# Altium PCB CW521_BallisticGel.PcbDoc (part 3 of 3)
Units mil, origin at the board's own origin, x right, y up, seen from the top; angles counter-clockwise.
Board outline 4645.67 x 3070.87 mil, 2 copper layers (Top Layer, Bottom Layer), stack 59.8 mil thick; 102 components, 83 nets, 501 pads, 442 vias.
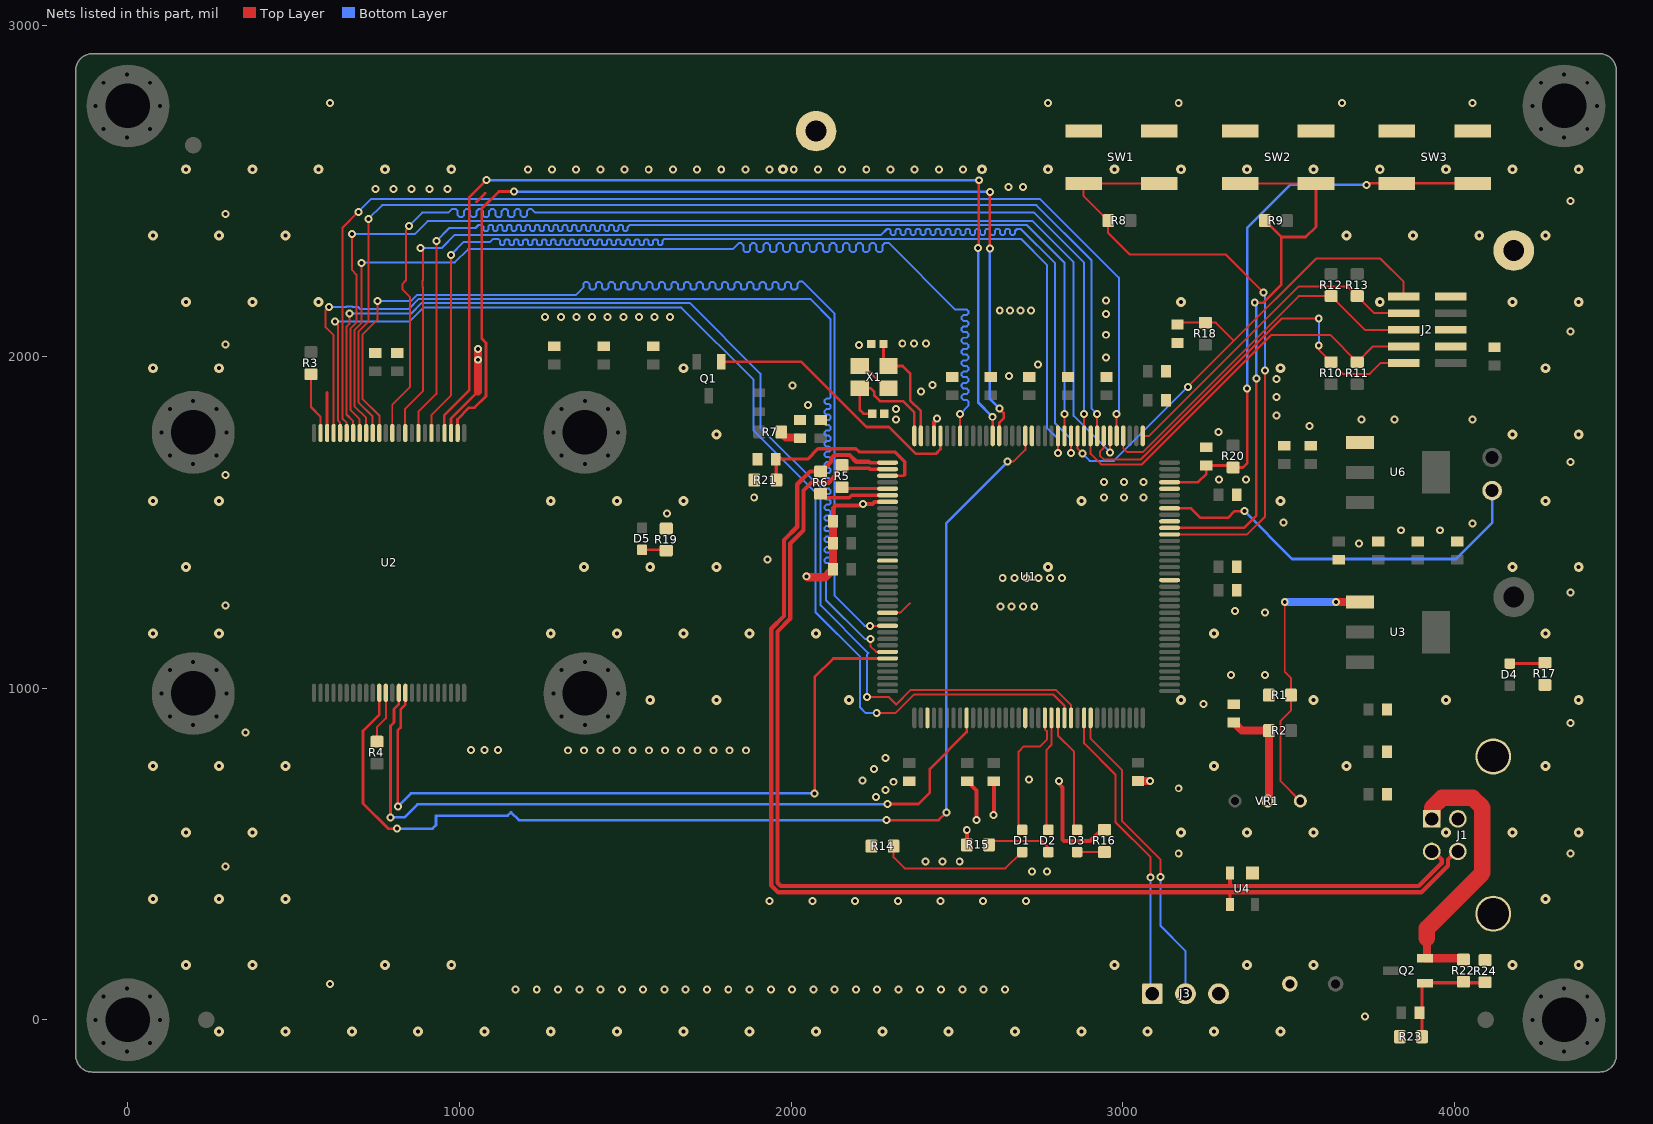
[diagram p3: the nets of this part, all layers, seen from the top]

## Via types
v1: diameter 24, hole 12, Top Layer to Bottom Layer, tented both sides, 327 vias
v2: diameter 30, hole 12, Top Layer to Bottom Layer, tented both sides, 113 vias
v3: diameter 24, hole 12, Top Layer to Bottom Layer, 2 vias

## Nets (pads, with @x,y where several pads share a name; then routed paths per layer and width w, separated by ;. In a path a pad name is that pad's centre, name@x,y a point inside that pad or via, vN(x,y) a via of type N, cw(c..) or ccw(c..) an arc to the next point about the centre after c; other vN are vias at no path point) (continued)
D4: U1.62 U2.38 | length 3495.4
  Top Layer w6: v1(752,2168) 752,2110.62 707,2065.62 707,1873.45 758,1822.45 U2.38@758,1773.27 ; v1(2238.39,1188.27) U1.62@2290.83,1188.27
  Bottom Layer w6: v1(752,2168) 854,2168 872.54,2186.54 1351.65,2186.54 1373.02,2207.91 1373.02,2219.91 1378.02,2224.91 1386.02,2224.91 1392.02,2218.91 1392.02,2206.91 1397.02,2201.91 1405.02,2201.91 1411.02,2207.91 1411.02,2219.91 1416.02,2224.91 1424.02,2224.91 1430.02,2218.91 1430.02,2206.91 1435.02,2201.91 1443.02,2201.91 1449.02,2207.91 1449.02,2219.91 1454.02,2224.91 1462.02,2224.91 1468.02,2218.91 1468.02,2206.91 1473.02,2201.91 1481.02,2201.91 1487.02,2207.91 1487.02,2219.91 1492.02,2224.91 1500.02,2224.91 1506.02,2218.91 1506.02,2206.91 1511.02,2201.91 1519.02,2201.91 1525.02,2207.91 1525.02,2219.91 1530.02,2224.91 1538.02,2224.91 1544.02,2218.91 1544.02,2206.91 1549.02,2201.91 1557.02,2201.91 1563.02,2207.91 1563.02,2219.91 1568.02,2224.91 1576.02,2224.91 1582.02,2218.91 1582.02,2206.91 1587.02,2201.91 1595.02,2201.91 1601.02,2207.91 1601.02,2219.91 1606.02,2224.91 1614.02,2224.91 1620.02,2218.91 1620.02,2206.91 1625.02,2201.91 1633.02,2201.91 1639.02,2207.91 1639.02,2219.91 1644.02,2224.91 1652.02,2224.91 1658.02,2218.91 1658.02,2206.91 1663.02,2201.91 1671.02,2201.91 1677.02,2207.91 1677.02,2219.91 1682.02,2224.91 1690.02,2224.91 1696.02,2218.91 1696.02,2206.91 1701.02,2201.91 1709.02,2201.91 1715.02,2207.91 1715.02,2219.91 1720.02,2224.91 1728.02,2224.91 1734.02,2218.91 1734.02,2206.91 1739.02,2201.91 1747.02,2201.91 1753.02,2207.91 1753.02,2219.91 1758.02,2224.91 1766.02,2224.91 1772.02,2218.91 1772.02,2206.91 1777.02,2201.91 1785.02,2201.91 1791.02,2207.91 1791.02,2219.91 1796.02,2224.91 1804.02,2224.91 1810.02,2218.91 1810.02,2206.91 1815.02,2201.91 1823.02,2201.91 1829.02,2207.91 1829.02,2219.91 1834.02,2224.91 1842.02,2224.91 1848.02,2218.91 1848.02,2206.91 1853.02,2201.91 1861.02,2201.91 1867.02,2207.91 1867.02,2219.91 1872.02,2224.91 1880.02,2224.91 1886.02,2218.91 1886.02,2206.91 1891.02,2201.91 1899.02,2201.91 1905.02,2207.91 1905.02,2219.91 1910.02,2224.91 1918.02,2224.91 1924.02,2218.91 1924.02,2206.91 1929.02,2201.91 1937.02,2201.91 1943.02,2207.91 1943.02,2219.91 1948.02,2224.91 1956.02,2224.91 1962.02,2218.91 1962.02,2206.91 1967.02,2201.91 1975.02,2201.91 1981.02,2207.91 1981.02,2219.91 1986.02,2224.91 1994.02,2224.91 2000.02,2218.91 2000.02,2206.91 2005.02,2201.91 2013.02,2201.91 2019.02,2207.91 2019.02,2219.91 2025.02,2225.91 2034.72,2225.91 2131.02,2129.6 2131.02,1278.91 2221.66,1188.27 v1(2238.39,1188.27)
D5: U1.29 U2.40 | length 3538.7
  Top Layer w6: v1(704.02,2282.43) 704.02,2100.73 683,2079.71 683,1850.45 718,1815.45 U2.40@718,1773.27 ; U1.29@2509.33,1761.1 v1(2509.33,1826.58) v1@2509.33,1830.21
  Bottom Layer w6: v1(704.02,2282.43) 705.74,2284.16 985.84,2284.16 1025.59,2323.91 1824.02,2323.91 1842.02,2341.91 1850.02,2341.91 1856.02,2335.91 1856.02,2320.91 1862.02,2314.91 1870.02,2314.91 1876.02,2320.91 1876.02,2335.91 1882.02,2341.91 1890.02,2341.91 1896.02,2335.91 1896.02,2320.91 1902.02,2314.91 1910.02,2314.91 1916.02,2320.91 1916.02,2335.91 1922.02,2341.91 1930.02,2341.91 1936.02,2335.91 1936.02,2320.91 1942.02,2314.91 1950.02,2314.91 1956.02,2320.91 1956.02,2335.91 1962.02,2341.91 1970.02,2341.91 1976.02,2335.91 1976.02,2320.91 1982.02,2314.91 1990.02,2314.91 1996.02,2320.91 1996.02,2335.91 2002.02,2341.91 2010.02,2341.91 2016.02,2335.91 2016.02,2320.91 2022.02,2314.91 2030.02,2314.91 2036.02,2320.91 2036.02,2335.91 2042.02,2341.91 2050.02,2341.91 2056.02,2335.91 2056.02,2320.91 2062.02,2314.91 2070.02,2314.91 2076.02,2320.91 2076.02,2335.91 2082.02,2341.91 2090.02,2341.91 2096.02,2335.91 2096.02,2320.91 2102.02,2314.91 2110.02,2314.91 2116.02,2320.91 2116.02,2335.91 2122.02,2341.91 2130.02,2341.91 2136.02,2335.91 2136.02,2320.91 2142.02,2314.91 2150.02,2314.91 2156.02,2320.91 2156.02,2335.91 2162.02,2341.91 2170.02,2341.91 2176.02,2335.91 2176.02,2320.91 2182.02,2314.91 2190.02,2314.91 2196.02,2320.91 2196.02,2335.91 2202.02,2341.91 2210.02,2341.91 2216.02,2335.91 2216.02,2320.91 2222.02,2314.91 2230.02,2314.91 2236.02,2320.91 2236.02,2335.91 2242.02,2341.91 2250.02,2341.91 2256.02,2335.91 2256.02,2320.91 2262.02,2314.91 2270.02,2314.91 2276.02,2320.91 2276.02,2335.91 2283.02,2342.91 2294.02,2342.91 2495.02,2141.91 2529.64,2141.91 2534.64,2136.91 2534.64,2130.21 2529.33,2124.91 2519.02,2124.91 2514.02,2119.91 2514.02,2113.21 2519.33,2107.91 2529.64,2107.91 2534.64,2102.91 2534.64,2096.21 2529.33,2090.91 2519.02,2090.91 2514.02,2085.91 2514.02,2079.21 2519.33,2073.91 2529.64,2073.91 2534.64,2068.91 2534.64,2062.21 2529.33,2056.91 2519.02,2056.91 2514.02,2051.91 2514.02,2045.21 2519.33,2039.91 2529.64,2039.91 2534.64,2034.91 2534.64,2028.21 2529.33,2022.91 2519.02,2022.91 2514.02,2017.91 2514.02,2011.21 2519.33,2005.91 2529.64,2005.91 2534.64,2000.91 2534.64,1994.21 2529.33,1988.91 2519.02,1988.91 2514.02,1983.91 2514.02,1977.21 2519.33,1971.91 2529.64,1971.91 2534.64,1966.91 2534.64,1960.21 2529.33,1954.91 2519.02,1954.91 2514.02,1949.91 2514.02,1943.21 2519.33,1937.91 2529.64,1937.91 2534.64,1932.91 2534.64,1926.21 2529.33,1920.91 2519.02,1920.91 2514.02,1915.91 2514.02,1909.21 2519.33,1903.91 2529.64,1903.91 2534.64,1898.91 2534.64,1892.21 2529.33,1886.91 2519.02,1886.91 2514.02,1881.91 2514.02,1875.21 2519.33,1869.91 2529.64,1869.91 2534.64,1864.91 2534.64,1851.89 v1(2509.33,1826.58) v1@2507.33,1824.58
D6: U1.97 U2.42 | length 3521.3
  Top Layer w6: v1(667.91,2129.54) 667.91,2098.56 659,2089.65 659,1825.45 679,1805.45 U2.42@679,1773.27 ; v1(2229.02,972.91) 2295.02,972.91 2317.02,950.91 2361.02,994.91 2798.02,994.91 2843.98,948.95 U1.97@2843.98,910.71
  Bottom Layer w6: v1(667.91,2129.54) 853.54,2129.54 886,2162 1693.93,2162 1907.02,1948.91 1907.02,1785.91 2088.93,1604 2088.93,1250 2233.02,1105.91 2229.02,1101.91 v1(2229.02,972.91)
D7: U1.96 U2.44 | length 3531.3
  Top Layer w6: v1(623.91,2106.54) 633,2097.45 633,1808 639,1802 639,1770.45 U2.44@639.76,1769.69 ; v1(2258.02,925.91) 2315.02,925.91 2370.02,980.91 2791.02,980.91 2824.29,947.64 U1.96@2824.29,910.71
  Bottom Layer w6: v1(623.91,2106.54) 849.54,2106.54 890.91,2147.91 1669.02,2147.91 1887.02,1929.91 1887.02,1776.91 2073.02,1590.91 2073.02,1229.91 2208.02,1094.91 2208.02,941.91 2224.02,925.91 v1(2258.02,925.91)
D8: U1.14 U2.30 | length 3519.4
  Top Layer w6: U2.30@915,1773.27 915,1823.62 973.91,1882.54 v1(973.91,2306.54) ; v1@2804.61,1708.49 v1(2804.61,1709.91) U1.14@2804.61,1761.1
  Bottom Layer w6: v1(973.91,2306.54) 1013.28,2345.91 1092.02,2345.91 1101.02,2354.91 1117.02,2354.91 1122.02,2349.91 1122.02,2339.91 1126.02,2335.91 1132.02,2335.91 1136.02,2339.91 1136.02,2349.91 1140.02,2353.91 1146.02,2353.91 1150.02,2349.91 1150.02,2339.91 1154.02,2335.91 1160.02,2335.91 1164.02,2339.91 1164.02,2349.91 1168.02,2353.91 1174.02,2353.91 1178.02,2349.91 1178.02,2339.91 1182.02,2335.91 1188.02,2335.91 1192.02,2339.91 1192.02,2349.91 1196.02,2353.91 1202.02,2353.91 1206.02,2349.91 1206.02,2339.91 1210.02,2335.91 1216.02,2335.91 1220.02,2339.91 1220.02,2349.91 1224.02,2353.91 1230.02,2353.91 1234.02,2349.91 1234.02,2339.91 1238.02,2335.91 1244.02,2335.91 1248.02,2339.91 1248.02,2349.91 1252.02,2353.91 1258.02,2353.91 1262.02,2349.91 1262.02,2339.91 1266.02,2335.91 1272.02,2335.91 1276.02,2339.91 1276.02,2349.91 1280.02,2353.91 1286.02,2353.91 1290.02,2349.91 1290.02,2339.91 1294.02,2335.91 1300.02,2335.91 1304.02,2339.91 1304.02,2349.91 1308.02,2353.91 1314.02,2353.91 1318.02,2349.91 1318.02,2339.91 1322.02,2335.91 1328.02,2335.91 1332.02,2339.91 1332.02,2349.91 1336.02,2353.91 1342.02,2353.91 1346.02,2349.91 1346.02,2339.91 1350.02,2335.91 1356.02,2335.91 1360.02,2339.91 1360.02,2349.91 1364.02,2353.91 1370.02,2353.91 1374.02,2349.91 1374.02,2339.91 1378.02,2335.91 1384.02,2335.91 1388.02,2339.91 1388.02,2349.91 1392.02,2353.91 1398.02,2353.91 1402.02,2349.91 1402.02,2339.91 1406.02,2335.91 1412.02,2335.91 1416.02,2339.91 1416.02,2349.91 1420.02,2353.91 1426.02,2353.91 1430.02,2349.91 1430.02,2339.91 1434.02,2335.91 1440.02,2335.91 1444.02,2339.91 1444.02,2349.91 1448.02,2353.91 1454.02,2353.91 1458.02,2349.91 1458.02,2339.91 1462.02,2335.91 1468.02,2335.91 1472.02,2339.91 1472.02,2349.91 1476.02,2353.91 1482.02,2353.91 1486.02,2349.91 1486.02,2339.91 1490.02,2335.91 1496.02,2335.91 1500.02,2339.91 1500.02,2349.91 1504.02,2353.91 1510.02,2353.91 1514.02,2349.91 1514.02,2339.91 1518.02,2335.91 1524.02,2335.91 1528.02,2339.91 1528.02,2349.91 1532.02,2353.91 1538.02,2353.91 1542.02,2349.91 1542.02,2339.91 1546.02,2335.91 1552.02,2335.91 1556.02,2339.91 1556.02,2349.91 1560.02,2353.91 1566.02,2353.91 1570.02,2349.91 1570.02,2339.91 1574.02,2335.91 1580.02,2335.91 1584.02,2339.91 1584.02,2349.91 1588.02,2353.91 1594.02,2353.91 1598.02,2349.91 1598.02,2339.91 1602.02,2335.91 1608.02,2335.91 1612.02,2339.91 1612.02,2349.91 1617.02,2354.91 2693.02,2354.91 2771.02,2276.91 2771.02,1785.91 2804.61,1752.32 v1@2804.61,1711.28
D9: U1.13 U2.32 | length 3507.4
  Top Layer w6: U2.32@876,1773.27 876,1833.62 929.91,1887.54 v1(929.91,2348.54) ; U1.13@2824.29,1761.1 v1(2824.29,1826.58) v1@2824.29,1828.64
  Bottom Layer w6: v1(929.91,2348.54) 969.28,2387.91 1048.02,2387.91 1057.02,2396.91 1067.02,2396.91 1072.02,2391.91 1072.02,2382.91 1076.02,2378.91 1083.02,2378.91 1087.02,2382.91 1087.02,2392.91 1091.02,2396.91 1097.02,2396.91 1101.02,2392.91 1101.02,2382.91 1105.02,2378.91 1111.02,2378.91 1115.02,2382.91 1115.02,2392.91 1119.02,2396.91 1125.02,2396.91 1129.02,2392.91 1129.02,2382.91 1133.02,2378.91 1139.02,2378.91 1143.02,2382.91 1143.02,2392.91 1147.02,2396.91 1153.02,2396.91 1157.02,2392.91 1157.02,2382.91 1161.02,2378.91 1167.02,2378.91 1171.02,2382.91 1171.02,2392.91 1175.02,2396.91 1181.02,2396.91 1185.02,2392.91 1185.02,2382.91 1189.02,2378.91 1195.02,2378.91 1199.02,2382.91 1199.02,2392.91 1203.02,2396.91 1209.02,2396.91 1213.02,2392.91 1213.02,2382.91 1217.02,2378.91 1223.02,2378.91 1227.02,2382.91 1227.02,2392.91 1231.02,2396.91 1237.02,2396.91 1241.02,2392.91 1241.02,2382.91 1245.02,2378.91 1251.02,2378.91 1255.02,2382.91 1255.02,2392.91 1259.02,2396.91 1265.02,2396.91 1269.02,2392.91 1269.02,2382.91 1273.02,2378.91 1279.02,2378.91 1283.02,2382.91 1283.02,2392.91 1287.02,2396.91 1293.02,2396.91 1297.02,2392.91 1297.02,2382.91 1301.02,2378.91 1307.02,2378.91 1311.02,2382.91 1311.02,2392.91 1315.02,2396.91 1321.02,2396.91 1325.02,2392.91 1325.02,2382.91 1329.02,2378.91 1335.02,2378.91 1339.02,2382.91 1339.02,2392.91 1343.02,2396.91 1349.02,2396.91 1353.02,2392.91 1353.02,2382.91 1357.02,2378.91 1363.02,2378.91 1367.02,2382.91 1367.02,2392.91 1371.02,2396.91 1377.02,2396.91 1381.02,2392.91 1381.02,2382.91 1385.02,2378.91 1391.02,2378.91 1395.02,2382.91 1395.02,2392.91 1399.02,2396.91 1405.02,2396.91 1409.02,2392.91 1409.02,2382.91 1413.02,2378.91 1419.02,2378.91 1423.02,2382.91 1423.02,2392.91 1427.02,2396.91 1433.02,2396.91 1437.02,2392.91 1437.02,2382.91 1441.02,2378.91 1447.02,2378.91 1451.02,2382.91 1451.02,2392.91 1455.02,2396.91 1461.02,2396.91 1465.02,2392.91 1465.02,2382.91 1469.02,2378.91 1475.02,2378.91 1479.02,2382.91 1479.02,2392.91 1483.02,2396.91 1489.02,2396.91 1493.02,2392.91 1493.02,2382.91 1497.02,2378.91 1503.02,2378.91 1507.02,2382.91 1507.02,2390.91 1513.02,2396.91 2710.42,2396.91 2824.29,2283.03 v1(2824.29,1826.58)
D10: U1.12 U2.34 | length 3549
  Top Layer w6: U2.34@836,1773.27 836,1842.62 889,1895.62 889,2209.75 887.91,2210.84 887.91,2228.23 889,2229.32 889,2320.45 v1(881.91,2327.54) ; v1@2843.98,1707.95 v1(2843.98,1709.91) U1.12@2843.98,1761.1
  Bottom Layer w6: v1(881.91,2327.54) 946.54,2327.54 985.91,2366.91 2271.02,2366.91 2289.02,2384.91 2296.02,2384.91 2300.02,2380.91 2300.02,2370.91 2304.02,2366.91 2311.02,2366.91 2315.02,2370.91 2315.02,2380.91 2319.02,2384.91 2326.02,2384.91 2330.02,2380.91 2330.02,2370.91 2334.02,2366.91 2341.02,2366.91 2345.02,2370.91 2345.02,2380.91 2349.02,2384.91 2356.02,2384.91 2360.02,2380.91 2360.02,2370.91 2364.02,2366.91 2371.02,2366.91 2375.02,2370.91 2375.02,2380.91 2379.02,2384.91 2386.02,2384.91 2390.02,2380.91 2390.02,2370.91 2394.02,2366.91 2401.02,2366.91 2405.02,2370.91 2405.02,2380.91 2409.02,2384.91 2416.02,2384.91 2420.02,2380.91 2420.02,2370.91 2424.02,2366.91 2431.02,2366.91 2435.02,2370.91 2435.02,2380.91 2439.02,2384.91 2446.02,2384.91 2450.02,2380.91 2450.02,2370.91 2454.02,2366.91 2461.02,2366.91 2465.02,2370.91 2465.02,2380.91 2469.02,2384.91 2476.02,2384.91 2480.02,2380.91 2480.02,2370.91 2484.02,2366.91 2491.02,2366.91 2495.02,2370.91 2495.02,2380.91 2499.02,2384.91 2506.02,2384.91 2510.02,2380.91 2510.02,2370.91 2514.02,2366.91 2521.02,2366.91 2525.02,2370.91 2525.02,2380.91 2529.02,2384.91 2536.02,2384.91 2540.02,2380.91 2540.02,2370.91 2544.02,2366.91 2551.02,2366.91 2555.02,2370.91 2555.02,2380.91 2559.02,2384.91 2566.02,2384.91 2570.02,2380.91 2570.02,2370.91 2574.02,2366.91 2581.02,2366.91 2585.02,2370.91 2585.02,2380.91 2589.02,2384.91 2596.02,2384.91 2600.02,2380.91 2600.02,2370.91 2604.02,2366.91 2611.02,2366.91 2615.02,2370.91 2615.02,2380.91 2619.02,2384.91 2626.02,2384.91 2630.02,2380.91 2630.02,2370.91 2634.02,2366.91 2641.02,2366.91 2645.02,2370.91 2645.02,2380.91 2649.02,2384.91 2656.02,2384.91 2660.02,2380.91 2660.02,2370.91 2664.02,2366.91 2671.02,2366.91 2675.02,2370.91 2675.02,2378.91 2681.02,2384.91 2692.72,2384.91 2795.02,2282.6 2795.02,1799.91 2843.98,1750.95 v1@2843.98,1711.28
D11: U1.10 U2.36 | length 3517.6
  Top Layer w6: U2.36@797,1773.27 797,1854.62 851,1908.62 851,2179.3 828,2202.3 828,2219.7 837.91,2229.61 837.91,2381.54 847.91,2391.54 v1(847.91,2394.54) ; U1.10@2883.35,1761.1 v1(2883.35,1826.58)
  Bottom Layer w6: v1(847.91,2394.54) 887.28,2433.91 966.02,2433.91 977.02,2444.91 989.02,2444.91 994.02,2439.91 994.02,2426.91 1000.02,2420.91 1008.02,2420.91 1013.02,2425.91 1013.02,2438.91 1019.02,2444.91 1027.02,2444.91 1032.02,2439.91 1032.02,2426.91 1038.02,2420.91 1046.02,2420.91 1051.02,2425.91 1051.02,2438.91 1057.02,2444.91 1065.02,2444.91 1070.02,2439.91 1070.02,2426.91 1076.02,2420.91 1084.02,2420.91 1089.02,2425.91 1089.02,2438.91 1095.02,2444.91 1103.02,2444.91 1108.02,2439.91 1108.02,2426.91 1114.02,2420.91 1122.02,2420.91 1127.02,2425.91 1127.02,2438.91 1133.02,2444.91 1141.02,2444.91 1146.02,2439.91 1146.02,2426.91 1152.02,2420.91 1160.02,2420.91 1165.02,2425.91 1165.02,2438.91 1171.02,2444.91 1179.02,2444.91 1184.02,2439.91 1184.02,2426.91 1190.02,2420.91 1198.02,2420.91 1203.02,2425.91 1203.02,2438.91 1209.02,2444.91 1217.02,2444.91 1228.02,2433.91 2732.82,2433.91 2883.35,2283.38 v1(2883.35,1826.58)
D12: U1.8 U2.39 | length 3477.6
  Top Layer w6: v1(724.91,2415.54) 724.91,2331.54 725.02,2331.43 725.02,2104.64 695,2074.62 695,1862.45 738,1819.45 U2.39@738,1773.27 ; U1.8@2922.72,1761.1 v1(2922.72,1826.58) v1@2922.72,1828.21
  Bottom Layer w6: v1(724.91,2415.54) 766.28,2456.91 2739.52,2456.91 2905.02,2291.4 2905.02,1844.28 v1(2922.72,1826.58)
D13: U1.6 U2.41 | length 3535.6
  Top Layer w6: v1(675.91,2369.54) 675.91,2260.54 688.91,2247.54 688.91,2102.59 671,2084.68 671,1839.45 698,1812.45 U2.41@698,1773.27 ; v1@2962.09,1708.84 v1(2962.09,1711.28) U1.6@2962.09,1761.1
  Bottom Layer w6: v1(675.91,2369.54) 864.54,2369.54 903.91,2408.91 2728.12,2408.91 2852.02,2285 2852.02,1821.35 v1(2962.09,1711.28)
D14: U1.5 U2.43 | length 3580
  Top Layer w6: U2.43@659.45,1769.69 659.45,1800 646.91,1812.54 646.91,2388.54 v1(694.91,2436.54) ; U1.5@2981.77,1761.1 v1(2981.77,1826.58) v1@2981.77,1827.16
  Bottom Layer w6: v1(694.91,2436.54) 734.28,2475.91 2750.21,2475.91 2988.02,2238.1 2988.02,1832.83 v1(2981.77,1826.58)
D15: U1.66 U2.45 | length 3472.4
  Top Layer w6: v1(605.59,2150.21) 596,2140.62 596,2088 620,2064 620,1769.76 U2.45@620.08,1769.69 ; v1(2239.02,1148.91) 2239.02,1126.68 2256.18,1109.53 U1.66@2290.83,1109.53
  Bottom Layer w6: v1(605.59,2150.21) 658.89,2150.21 659.22,2150.54 676.61,2150.54 676.93,2150.21 693.79,2150.21 701,2143 846,2143 877,2174 2056.93,2174 2118.93,2112 2118.93,1877.6 2114.93,1873.6 2105.93,1873.6 2100.93,1868.6 2100.93,1861.6 2104.93,1857.6 2113.93,1857.6 2118.93,1852.6 2118.93,1845.6 2114.93,1841.6 2105.93,1841.6 2100.93,1836.6 2100.93,1829.6 2104.93,1825.6 2113.93,1825.6 2118.93,1820.6 2118.93,1813.6 2114.93,1809.6 2105.93,1809.6 2100.93,1804.6 2100.93,1797.6 2104.93,1793.6 2113.93,1793.6 2118.93,1788.6 2118.93,1781.6 2114.93,1777.6 2105.93,1777.6 2100.93,1772.6 2100.93,1765.6 2104.93,1761.6 2113.93,1761.6 2118.93,1756.6 2118.93,1749.6 2114.93,1745.6 2105.93,1745.6 2100.93,1740.6 2100.93,1733.6 2104.93,1729.6 2113.93,1729.6 2118.93,1724.6 2118.93,1717.6 2114.93,1713.6 2105.93,1713.6 2100.93,1708.6 2100.93,1701.6 2104.93,1697.6 2113.93,1697.6 2118.93,1692.6 2118.93,1685.6 2114.93,1681.6 2105.93,1681.6 2100.93,1676.6 2100.93,1669.6 2104.93,1665.6 2113.93,1665.6 2118.93,1660.6 2118.93,1653.6 2114.93,1649.6 2105.93,1649.6 2100.93,1644.6 2100.93,1637.6 2104.93,1633.6 2113.93,1633.6 2118.93,1628.6 2118.93,1621.6 2114.93,1617.6 2105.93,1617.6 2100.93,1612.6 2100.93,1605.6 2104.93,1601.6 2113.93,1601.6 2118.93,1596.6 2118.93,1589.6 2114.93,1585.6 2105.93,1585.6 2100.93,1580.6 2100.93,1573.6 2104.93,1569.6 2113.93,1569.6 2118.93,1564.6 2118.93,1557.6 2114.93,1553.6 2105.93,1553.6 2100.93,1548.6 2100.93,1541.6 2104.93,1537.6 2113.93,1537.6 2118.93,1532.6 2118.93,1525.6 2114.93,1521.6 2105.93,1521.6 2100.93,1516.6 2100.93,1509.6 2104.93,1505.6 2113.93,1505.6 2118.93,1500.6 2118.93,1493.6 2114.93,1489.6 2105.93,1489.6 2100.93,1484.6 2100.93,1477.6 2104.93,1473.6 2113.93,1473.6 2118.93,1468.6 2118.93,1461.6 2114.93,1457.6 2105.93,1457.6 2100.93,1452.6 2100.93,1445.6 2104.93,1441.6 2113.93,1441.6 2118.93,1436.6 2118.93,1429.6 2114.93,1425.6 2105.93,1425.6 2100.93,1420.6 2100.93,1413.6 2104.93,1409.6 2113.93,1409.6 2118.93,1404.6 2118.93,1397.6 2114.93,1393.6 2105.93,1393.6 2100.93,1388.6 2100.93,1381.6 2104.93,1377.6 2113.93,1377.6 2118.93,1372.6 2118.93,1365.6 2104.93,1351.6 2104.93,1266 2222.02,1148.91 v1(2239.02,1148.91)
ERASE: JP1.2 U1.137 | length 1194.8
  Top Layer w8: U1.137@3141.22,1542.6 3206.33,1542.6 3235.02,1513.91 3317.02,1513.91 3337.02,1533.91 v1(3367.02,1533.91)
  Bottom Layer w8: v1(3367.02,1533.91) 3511.02,1389.91 4005.02,1389.91 4114.02,1498.91 JP1.2@4114.02,1595.91
GND: C1.2 C2.2 C3.2 C4.2 C5.2 C6.2 C7.2 C8.2 C9.2 C10.2 C11.2 C12.2 C13.2 C14.2 C15.2 C16.2 C17.2 C18.2 C19.2 C20.2 C21.2 C22.2 C23.2 C24.2 C25.2 C26.2 C27.2 C28.2 C29.2 C30.2 C31.2 C32.2 C33.2 C34.2 C35.2 C36.2 C37.2 C38.2 C39.2 C40.2 C41.2 J1.4 J1.MH1 J1.MH2 J2.3 J2.5 J2.9 J3.3 R1.2 R14.2 R15.2 R16.2 R17.2 R19.2 R21.2 R23.2 R24.2 SW1.1 SW1.4 SW2.1 SW2.4 SW3.1 SW3.4 TP2.1 TP3.1 U1.18 U1.33 U1.43 U1.52 U1.60 U1.75 U1.90 U1.126 U1.135 U1.140 U2.27 U2.46 U4.1 U6.1 X1.2 X1.4 | length 1774.2
  Top Layer w6: X1.4@2207.02,1971.91 2218.11,1971.91 2285.04,1904.98 X1.2@2293.64,1904.98 ; U1.60@2290.83,1227.64 2292.09,1228.91 2331.02,1228.91 2358.02,1255.91
  Top Layer w8: U2.27@974,1773.27 974,1813 1055.91,1894.91 ; 1050.91,2466.54 1076.91,2492.54
  Top Layer w10: U2.46@600.39,1769.69 600.39,1891.61
  Top Layer w12: C28.2@2125.98,1503.94 2125.98,1544.15 2133.01,1551.18 2209.35,1551.18 2213.29,1555.12 2244.78,1555.12 2251.95,1562.28 U1.43@2290.83,1562.28 ; U1.33@2430.59,1761.1 2430.59,1803.47 v1(2440.02,1812.91) ; R15.2@2529.53,527.56 v1(2529.53,572.83) ; C19.2@2531.02,719.35 2559.06,691.32 v1(2559.06,602.36) ; v1(2610.24,618.11) 2611.02,618.9 C29.2@2611.02,719.35 ; v1(2807.09,720.47) 2807.09,712.6 2818.9,700.79 2818.9,543.31 2822.83,539.37 2901.57,539.37 2935.04,572.83 R16.2@2944.88,572.83
  Top Layer w24: 1055.91,1894.91 v1(1055.91,1990.54) v1(1055.91,2022.54) ; C35.2@3046.02,720.35 v1(3081.58,720.35)
  Top Layer w25: v1(2046.44,1337.65) 2049.44,1334.65 2102.36,1334.65 C20.2@2125.98,1358.27 C30.2@2125.98,1437.01 C28.2@2125.98,1503.94
  other v1: 3730.92,10.51 1168.57,91.26 1232.74,91.26 1296.91,91.26 1361.09,91.26 1425.26,91.26 1489.43,91.26 1553.61,91.26 1617.78,91.26 1681.96,91.26 1746.13,91.26 1810.3,91.26 1874.48,91.26 1938.65,91.26 2002.83,91.26 2067,91.26 2131.17,91.26 2195.35,91.26 2259.52,91.26 2323.7,91.26 2387.87,91.26 2452.04,91.26 2516.22,91.26 2580.39,91.26 2644.57,91.26 609.72,107.76 1935,358 2063.83,358 2192.67,358 2321.5,358 2450.33,358 2579.17,358 2708,358 2726.02,446.91 2772.02,446.91 294.76,462.09 2405,478 2456.67,478 2508.33,478 3168.78,501.46 4349.88,501.46 2256.02,671.91 2285.02,692.91 3168.78,698.31 2309.02,717.91 2215.02,721.91 2716.54,724.41 2250.02,755.91 2284.02,788.91 1327.02,812.91 1375.77,812.91 1424.52,812.91 1473.27,812.91 1522.02,812.91 1570.77,812.91 1619.52,812.91 1668.27,812.91 1717.02,812.91 1765.77,812.91 1814.52,812.91 1863.27,812.91 1034,814 1075,814 1116,814 354.33,866.14 4349.88,895.16 3244.09,952.76 3326.77,1039.37 3429.13,1039.37 3429.13,1228.35 3338.58,1232.28 2631.02,1246.91 2665.02,1246.91 2699.02,1246.91 2733.02,1246.91 294.76,1249.49 4349.88,1288.86 2638.02,1332.91 2673.82,1332.91 2709.62,1332.91 2745.42,1332.91 2781.22,1332.91 2817.02,1332.91 1928,1388.35 3712.6,1437.01 3838.58,1476.38 3956.69,1476.38 4055.12,1496.06 3484.25,1500 1625.98,1527.56 2216.54,1555.12 1888.63,1575.36 2943.02,1574.91 3003.02,1574.91 3063.02,1574.91 2943.02,1621.91 3003.02,1621.91 3063.02,1621.91 3290,1629 3371,1630 294.76,1643.19 4349.88,1682.56 3289,1773 3562.99,1791.34 2316.02,1809.91 3720.47,1811.02 3818.9,1811.02 4055.12,1811.02 3463,1823 2316.02,1841.91 2051.18,1854.33 3463,1878 2392.02,1894.91 2003.94,1913.39 2426.02,1913.91 3463,1933 2657.48,1940.94 2745.02,1976.91 2950.02,1996.91 2204.72,2035.43 294.76,2036.89 2335.02,2038.91 2370.02,2038.91 2407.02,2038.91 2950.02,2065.91 4349.88,2076.26 1258.13,2118.91 1305.25,2118.91 1352.36,2118.91 1399.47,2118.91 1446.58,2118.91 1493.69,2118.91 1540.8,2118.91 1587.91,2118.91 1635.02,2118.91 2950.02,2128.91 2629.02,2138.91 2660.02,2138.91 2691.02,2138.91 2723.02,2138.91 2950.02,2168.91 294.76,2430.59 4349.88,2469.96 746.25,2505 800.5,2505 854.75,2505 909,2505 963.25,2505 2656.02,2511.91 2699.02,2511.91 1206.02,2564.91 1278.91,2564.91 1351.8,2564.91 1424.69,2564.91 1497.58,2564.91 1570.47,2564.91 1643.36,2564.91 1716.25,2564.91 1789.13,2564.91 1862.02,2564.91 1934.91,2564.91 2007.8,2564.91 2080.69,2564.91 2153.58,2564.91 2226.47,2564.91 2299.36,2564.91 2372.24,2564.91 2445.13,2564.91 2518.02,2564.91 609.72,2765.24 2775.08,2765.24 3168.78,2765.24 3660.91,2765.24 4054.61,2765.24
  other v2: 275,-35 475,-35 675,-35 875,-35 1075,-35 1275,-35 1475,-35 1675,-35 1875,-35 2075,-35 2275,-35 2475,-35 2675,-35 2875,-35 3075,-35 3275,-35 3475,-35 175,165 375,165 775,165 975,165 2975,165 3375,165 3575,165 4175,165 4375,165 75,365 275,365 475,365 4275,365 175,565 375,565 3175,565 3375,565 3575,565 3975,565 4175,565 4375,565 75,765 275,765 475,765 3275,765 3675,765 4275,765 1575,965 1775,965 2175,965 3175,965 3575,965 3975,965 4375,965 75,1165 275,1165 1275,1165 1475,1165 1675,1165 1875,1165 2075,1165 3275,1165 4275,1165 175,1365 1375,1365 1575,1365 1775,1365 2775,1365 4175,1365 4375,1365 75,1565 275,1565 1275,1565 1475,1565 1675,1565 2875,1565 3475,1565 4275,1565 1775,1765 4175,1765 4375,1765 75,1965 275,1965 1675,1965 3475,1965 4275,1965 175,2165 375,2165 575,2165 3175,2165 3775,2165 4175,2165 4375,2165 75,2365 275,2365 475,2365 3675,2365 3875,2365 4075,2365 4275,2365 175,2565 375,2565 575,2565 775,2565 975,2565 1975,2565 2575,2565 2775,2565 2975,2565 3175,2565 3375,2565 3575,2565 3775,2565 3975,2565 4175,2565 4375,2565
LED_1: D1.A U1.93 | length 408.7
  Top Layer w6: D1.A@2696.85,572.83 2686.02,583.66 2686.02,808.91 2702.02,824.91 2751.02,824.91 2771.02,844.91 2771.02,870.91 2765.24,876.69 U1.93@2765.24,910.71
LED_2: D2.A U1.94 | length 346.8
  Top Layer w6: D2.A@2775.59,572.83 2769.52,578.9 2769.52,813.41 2785.02,828.91 2785.02,910.61 U1.94@2784.92,910.71
LED_3: D3.A U1.95 | length 361.7
  Top Layer w6: U1.95@2804.61,910.71 2804.61,857.32 2853.02,808.91 2853.02,582.02 D3.A@2862.2,572.83
NetC7_1: C7.1 R2.2 VR1.2 | length 329.1
  Top Layer w24: C7.1@3335.02,896.35 3359.46,871.91 R2.2@3440.56,871.91 3440.56,663.44 VR1.2@3437.02,659.91
NetC17_1: C17.1 R7.2 | length 65.4
  Top Layer w24: R7.2@1970.28,1772.5 1970.28,1770.54 1984.39,1756.43 2023.94,1756.43 C17.1@2026.71,1753.66
NetC41_1: C41.1 R21.1 U1.39 | length 574.8
  Top Layer w8: U1.39@2290.83,1641.02 2339.84,1641.02 2342.52,1643.7
  Top Layer w10: R21.1@1955.89,1627.85 1954.67,1629.06 1954.67,1689.85 C41.1@1953.45,1691.06 2049.39,1691.06 2080.76,1722.44 2194.88,1722.44 2204.72,1712.6 2312.99,1712.6 2342.52,1683.07 2342.52,1643.7
NetC42_2: C42.2 Q2.1 R22.2 R23.1 R24.1 | length 348.8
  Top Layer w10: R23.1@3902.33,-51 3902.33,103.19 3910.12,110.99 Q2.1@3911.24,110.99 3912.45,112.2 4091.49,112.2 R24.1@4092.7,113.42
NetD1_K: D1.K R14.1 | length 455.3
  Top Layer w6: R14.1@2309.06,523.62 2309.06,490.16 2342.21,457 2645.98,457 2694.88,505.91 D1.K@2696.85,505.91
NetD2_K: D2.K R15.1 | length 206
  Top Layer w6: R15.1@2596.46,527.56 2608.27,539.37 2755.91,539.37 2775.59,519.69 D2.K@2775.59,505.91
NetD3_K: D3.K R16.1 | length 82.7
  Top Layer w6: D3.K@2862.2,505.91 R16.1@2944.88,505.91
NetD4_K: D4.K R17.1 | length 107
  Top Layer w8: D4.K@4167,1074.46 4270.54,1074.46 R17.1@4273,1076.93
NetD5_K: D5.K R19.1 | length 74
  Top Layer w8: D5.K@1550.24,1417.27 1620.78,1417.27 R19.1@1623.24,1414.81
NetJ1_1: J1.1 Q2.2 R22.1 | length 869.9
  Top Layer w20: Q2.2@3911.24,185.79 3914.53,185.79 Q2.2@3917.32,188.59
  Top Layer w25: Q2.2@3911.24,185.79 3911.53,185.5 4023.74,185.5 R22.1@4027.38,181.85 ; Q2.2@3914.53,185.79 3917.03,185.79 3917.32,186.09 3917.32,188.59 3917.32,246.06
  Top Layer w28: J1.1@3925.55,600 J1.1@3931.83,606.28
  Top Layer w50: 3917.32,246.06 3917.32,275.59 4084.65,442.91 4084.65,640 4055.36,669.29 3962.69,669.29 3933.4,640 3933.4,607.85 J1.1@3931.83,606.28
NetR1_1: R1.1 U3.1 VR1.1 | length 872.7
  Top Layer w6: v1(3488.47,1259.46) 3488.47,1049.46 3507.49,1030.44 R1.1@3507.49,978.91 3507.49,933.37 3475.02,900.91 3475.02,720.33 VR1.1@3535.45,659.91 ; U3.1@3714.42,1259.91 U3.1@3714.87,1259.46
  Top Layer w24: v1(3643.02,1259.91) U3.1@3714.42,1259.91
  Bottom Layer w6: v1(3488.47,1259.46) v1@3488.92,1259.91
  Bottom Layer w24: v1@3488.92,1259.91 v1(3643.02,1259.91)
NetR3_2: R3.2 U2.47 | length 189.3
  Top Layer w6: R3.2@551.91,1947.07 551.91,1848.09 580.71,1819.29 U2.47@580.71,1769.69
NetR4_2: R4.2 U2.12 | length 158.3
  Top Layer w6: R4.2@750.91,839 750.91,882.54 777.56,909.18 U2.12@777.56,986.22
NetR5_1: R5.1 U1.41 | length 139.2
  Top Layer w10: R5.1@2153.54,1606.3 2157.61,1602.23 2290.25,1602.23 U1.41@2290.83,1601.65
NetR6_1: R6.1 U1.42 | length 210.1
  Top Layer w10: R6.1@2088.58,1586.61 2100.39,1574.8 2175.2,1574.8 2182.36,1581.97 U1.42@2290.83,1581.97
PA11: R8.2 SW1.2 SW1.3 U1.133 | length 1954.1
  Top Layer w6: SW1.3@3110.2,2507.73 SW1.3@3110.2,2522.62 SW1.2@2881.85,2522.62 2881.85,2484.22 R8.2@2956.16,2409.91 2956.16,2372.77 3021.02,2307.91 3310.02,2307.91 v1(3424.02,2193.91) ; U1.133@3141.22,1463.86 3374.98,1463.86 3429,1517.88 v1(3429,1958)
  Bottom Layer w6: v1(3424.02,2193.91) 3429,2188.93 v1(3429,1958)
PA12: R9.2 SW2.2 SW2.3 U1.134 | length 1714.1
  Top Layer w6: SW2.2@3354.35,2522.62 SW2.3@3582.7,2522.62
  Top Layer w8: U1.134@3141.22,1483.54 3365.66,1483.54 3403,1520.88 v1(3403,1934) ; v1(3398.02,2162.91) 3424.14,2162.91 3478.02,2216.79 3478.02,2360.54 ; R9.2@3428.66,2409.91 3478.02,2360.54 ; SW2.3@3582.7,2522.62 3582.7,2391.58 3551.66,2360.54 3478.02,2360.54
  Bottom Layer w8: v1(3398.02,2162.91) 3403,2157.93 v1(3403,1934)
PB7: U1.67 U2.15 | length 2219.5
  Top Layer w8: v1(813.91,643.54) 813.91,873.54 822.13,881.75 822.13,936.13 836.61,950.61 U2.15@836.61,986.22 ; v1(2071.02,682.91) 2071.02,1033.91 2126.96,1089.84 U1.67@2290.83,1089.84
  Bottom Layer w8: v1(813.91,643.54) 853.28,682.91 v1(2071.02,682.91)
PB19: U1.24 U2.28 | length 3085.9
  Top Layer w8: U2.28@954,1773.27 954,1823.6 1028.91,1898.52 1028.91,2479.54 v1(1081.38,2532) ; v1(2564.02,2326.91) 2566.02,2328.91 v1(2566.02,2531.91) ; U1.24@2607.76,1761.1 v1(2607.76,1818.64)
  Bottom Layer w8: v1(1081.38,2532) 1159.93,2532 1160.02,2531.91 v1(2566.02,2531.91) ; v1(2564.02,2326.91) 2564.02,1862.37 v1(2607.76,1818.64)
PB20: U1.23 U2.26 | length 3033.6
  Top Layer w8: U2.26@994,1776.27 994,1811 1029,1846 1045.41,1846 1079.91,1880.5 1079.91,2041.54 1066.91,2054.54 1066.91,2446.54 1118.38,2498 v1(1164,2498) ; v1(2599.02,2325.91) v1(2599.02,2496.91) ; U1.23@2627.44,1761.1 2627.44,1800.32 2641.02,1813.91 2641.02,1829.91 v1(2628.02,1842.91)
  Bottom Layer w8: v1(1164,2498) 1165.09,2496.91 v1(2599.02,2496.91) ; v1(2599.02,2325.91) 2599.02,1871.91 v1(2628.02,1842.91)
PB23: U1.19 U2.11 | length 3449.5
  Top Layer w6: v1(2653.02,1683.91) 2671.02,1683.91 2706.18,1719.06 U1.19@2706.18,1761.1
  Top Layer w8: U2.11@758,989.8 758,920.62 708.91,871.54 708.91,652.54 784.91,576.54 v1(810.91,576.54) ; v1(2287.4,602.36) 2444.48,602.36 v1(2468.02,625.91)
  Bottom Layer w8: v1(810.91,576.54) 918.54,576.54 929.02,587.02 929.02,615.91 1145.02,615.91 1155.02,625.91 1178.57,602.36 v1(2287.4,602.36) ; v1(2468.02,625.91) 2468.02,1497.79 2653.02,1682.79 v1(2653.02,1683.91)
PC15: U1.81 U2.14 | length 2314.7
  Top Layer w8: v1(791.91,610.54) 791.91,886.54 802.44,897.06 802.44,937.44 816.93,951.93 U2.14@816.93,986.22 ; v1(2291.02,650.91) 2384.02,650.91 2418.02,684.91 2418.02,757.02 2529.02,868.01 U1.81@2529.02,910.71
  Bottom Layer w8: v1(791.91,610.54) 833.54,610.54 872.91,649.91 2290.02,649.91 v1(2291.02,650.91)
RST: C36.1 J2.10 R18.2 U1.11 | length 1559.2
  Top Layer w6: U1.11@2863.66,1761.1 2863.66,1722.27 v1(2878.02,1707.91) ; C36.1@3165,2096.56 3170.91,2102.46 R18.2@3249,2102.46 3280.65,2102.46 3335.12,2048 ; v1(3196.02,1908.91) 3335.12,2048 ; J2.10@3847.29,2180.91 3847.29,2225.64 3777.02,2295.91 3583.02,2295.91 3335.12,2048
  Bottom Layer w6: v1(2878.02,1707.91) 2900.02,1685.91 2973.02,1685.91 v1(3196.02,1908.91)
RSTB: C40.1 R20.2 SW3.2 SW3.3 U1.141 | length 1723
  Top Layer w8: U1.141@3141.22,1621.34 3227.34,1621.34 3252,1646 C40.1@3252,1671.44 3327.09,1671.44 R20.2@3333,1665.54 3362.54,1665.54 3375,1678 v1(3375,1904) ; v1(3735,2518) 3739.62,2522.62 SW3.2@3826.85,2522.62 SW3.3@4055.2,2522.62
  Bottom Layer w8: v1(3375,1904) 3375,2388 3505,2518 v1(3735,2518)
RX: J3.2 U1.100 | length 950.4
  Top Layer w6: U1.100@2903.03,910.71 2903.03,847.9 2998.02,752.91 2998.02,598.91 3114.02,482.91 v1(3114.02,430.91)
  Bottom Layer w6: v1(3114.02,430.91) 3114.02,282.91 3188.98,207.95 J3.2@3188.98,78.74
TCK: J2.4 R11.2 U1.9 | length 1227.1
  Top Layer w6: U1.9@2903.03,1761.1 2903.03,1706.9 2935.02,1674.91 3058.02,1674.91 3448.49,2065.37 3625.02,2065.37 R11.2@3707.02,1983.37 3754.56,2030.91 J2.4@3847.29,2030.91
TDI: J2.8 R13.2 U1.1 | length 1007.1
  Top Layer w6: U1.1@3060.51,1761.1 3079.22,1761.1 3530.02,2211.91 3677.56,2211.91 R13.2@3707.02,2182.44 3758.56,2130.91 J2.8@3847.29,2130.91
TDO: J2.6 R12.2 U1.4 | length 1125.2
  Top Layer w6: U1.4@3001.46,1761.1 3001.46,1723.47 3013.02,1711.91 3060.02,1711.91 3530.56,2182.44 R12.2@3628.36,2182.44 3729.89,2080.91 J2.6@3847.29,2080.91
TMS: J2.2 R10.2 U1.7 | length 1299
  Top Layer w6: U1.7@2942.4,1761.1 2942.4,1724.4 2932.02,1714.02 2932.02,1699.91 2942.02,1689.91 3055.02,1689.91 3480.02,2114.91 v1(3591.02,2114.91) ; v1(3591.02,2033.91) 3591.02,2020.7 R10.2@3628.36,1983.37 3663.82,1947.91 3745.02,1947.91 3778.02,1980.91 J2.2@3847.29,1980.91
  Bottom Layer w6: v1(3591.02,2033.91) v1(3591.02,2114.91)
TRGT_PWR: Q1.1 U1.32 | length 821.6
  Top Layer w8: Q1.1@1789.4,1984.18 2030.75,1984.18 2227.02,1787.91 2295.02,1787.91 2376.02,1706.91 2436.02,1706.91 2450.28,1721.16 U1.32@2450.28,1761.1
TX: J3.1 U1.99 | length 917.1
  Top Layer w6: U1.99@2883.35,910.71 2883.35,833.58 2978.02,738.91 2978.02,595.91 3084.02,489.91 v1(3084.02,429.91)
  Bottom Layer w6: v1(3084.02,429.91) 3084.02,83.69 J3.1@3088.98,78.74
USBD_N: J1.2 R5.2 U1.38 U4.2 | length 3642.5
  Top Layer w10: 2234.25,1663.39 2236.93,1660.71 U1.38@2290.83,1660.71
  Top Layer w12: R5.2@2151.57,1673.23 2161.42,1663.39 2234.25,1663.39 ; U4.2@3323.62,442.15 3323.62,406.69 3326.77,403.54
  Top Layer w13: R5.2@2153.54,1673.23 2151.57,1673.23 2140.36,1662.01 2140.36,1648.23 2112.2,1620.08 2061.02,1620.08 2037.4,1596.46 2037.4,1476.38 1997.35,1436.32 1997.35,1209.95 1958.66,1171.26 1958.66,413.39 1968.5,403.54 3326.77,403.54 3892.68,403.54 3961.7,472.56 3961.7,483.33 3937.18,507.85 J1.2@3931.83,507.85
USBD_P: J1.3 R6.2 U1.37 U4.3 | length 3747.2
  Top Layer w10: 2234.25,1683.07 2236.93,1680.39 U1.37@2290.83,1680.39 ; 3316.93,384.54 3323.62,377.85 U4.3@3323.62,347.66
  Top Layer w13: 2234.25,1683.07 2196.19,1683.07 2175.81,1703.44 2131.28,1703.44 2120.15,1692.32 2120.15,1683.14 2090.55,1653.54 R6.2@2088.58,1653.54 2057.09,1653.54 2018.4,1614.86 2018.4,1486.91 1978.35,1446.85 1978.35,1217.82 1939.66,1179.13 1939.66,405.52 1960.63,384.54 3316.93,384.54 3900.55,384.54 3980.7,464.69 3980.7,483.33 4005.22,507.85 J1.3@4010.57,507.85
XIN: C10.1 U1.36 X1.1 | length 380.6
  Top Layer w8: C10.1@2244.91,1827.91 2218.02,1827.91 2207.02,1838.91 X1.1@2207.02,1904.98 2239.95,1904.98 2251.02,1893.91 2251.02,1882.27 2267.39,1865.91 2337.02,1865.91 2371.54,1831.39 U1.36@2371.54,1761.1
XOUT: C11.1 U1.35 X1.3 | length 348.4
  Top Layer w8: C11.1@2278.24,2037.91 2278.24,1987.3 X1.3@2293.64,1971.91 2336.02,1971.91 2359.02,1948.91 2359.02,1867.91 2391.22,1835.71 U1.35@2391.22,1761.1
pads on no net: D1.0 D2.0 D3.0 D4.0 D5.0 FID1.M1 FID2.M1 FID3.M1 J2.7 MH1.1 MH2.1 MH3.1 MH4.1 MH5.1 MH6.1 MH7.1 MH8.1 R1.0 R2.0 R3.0 R4.0 R5.0 R6.0 R7.0 R8.0 R9.0 R10.0 R11.0 R12.0 R13.0 R14.0 R15.0 R16.0 R17.0 R18.0 R19.0 R20.0 R21.0 R22.0 R23.0 R24.0 U1.15 U1.20 U1.25 U1.26 U1.28 U1.45 U1.46 U1.48 U1.53 U1.55 U1.57 U1.63 U1.64 U1.65 U1.69 U1.70 U1.71 U1.72 U1.74 U1.76 U1.77 U1.78 U1.79 U1.80 U1.82 U1.83 U1.84 U1.87 U1.88 U1.91 U1.98 U1.101 U1.102 U1.103 U1.105 U1.106 U1.107 U1.109 U1.111 U1.113 U1.115 U1.117 U1.119 U1.121 U1.123 U1.128 U1.130 U1.132 U1.136 U1.138 U1.142 U1.143 U1.144 U2.13 VR1.3

## Polygon pours and split planes (outlines as drawn)
GND on Bottom Layer "GND_L02_P030" (solid, remove dead copper, pour order 30): 4465.02,-92.09 4465.02,2911.91 -157.48,2911.91 -157.48,-85.16
+ADJ on Bottom Layer "GND_L02_P-001" (solid, remove dead copper, pour order 25): 2219.02,1302.91 2235.02,1302.91 2321.02,1388.91 2321.02,1494.25 2342.52,1515.75 2423.87,1515.75 2638.02,1729.91 2689.02,1729.91 2701.02,1717.91 2701.02,1682.91 2495.02,1476.91 2495.02,652.11 2495.02,629.92 2554.02,629.92 2668.02,643.91 2668.02,1024.9 3089.02,1445.91 3213.02,1445.91 3361.02,1297.91 4018.02,1297.91 4047.02,1326.91 4047.02,1350.91 4025.02,1372.91 3498.02,1372.91 3301.02,1569.91 3279.02,1569.91 3208.02,1498.91 3021.02,1498.91 2614.02,1091.91 2614.02,794.9 2578.02,758.91 2562.02,758.91 2554.02,766.91 2554.02,1429.91 2728.02,1603.91 2728.02,1849.91 2705.02,1872.91 2687.02,1872.91 2676.02,1861.91 2676.02,1812.91 2518.02,1654.91 2402.94,1654.91 2270.02,1521.99 2270.02,1381.91 2212.02,1323.91
GND on Bottom Layer "GND_L02_P032" (solid, remove dead copper, pour order 32): 2761.02,1959.91 2739.02,1959.91 2610.02,2088.91 2610.02,2158.91 2761.02,2158.91
GND on Bottom Layer "GND_L02_P031" (solid, remove dead copper, pour order 31): 2325.02,908.91 2325.02,709.91 2271.02,655.91 2138.02,655.91 2082.02,711.91 2082.02,864.91 2126.02,908.91
GND on Bottom Layer "GND_L02_P029" (solid, remove dead copper, pour order 29): 2905.02,2227.91 2988.02,2227.91 2988.02,1970.91 2987.02,1969.91 2905.02,1969.91
GND on Bottom Layer "GND_L02_P028" (solid, remove dead copper, pour order 28): 2181.02,2108.4 2181.02,1372.91 2197.02,1356.91 2215.02,1374.91 2215.02,1644.91 2274.02,1703.91 2490.02,1703.91 2574.02,1787.91 2561.02,1800.91 2561.02,2111.4
+1v8 on Bottom Layer "GND_L02_P-001" (solid, remove dead copper, pour order 27): 2248.02,1481.91 2248.02,1521.91 2389.02,1662.91 2519.02,1662.91 2672.02,1815.91 2672.02,1863.91 2687.02,1878.91 2708.02,1878.91 2734.02,1852.91 2734.02,1597.91 2560.02,1423.91 2560.02,773.91 2584.02,773.91 2607.02,796.91 2607.02,1388.91 2781.02,1562.91 2781.02,1755.91 2761.02,1775.91 2761.02,1913.91 2655.02,2019.9 2644.02,2008.91 2644.02,1835.91 2503.02,1694.91 2353.02,1694.91 2221.02,1562.91 2221.02,1479.91 2231.02,1469.91 2243.02,1469.91
GND on Top Layer "GND_L02_P-001" (solid, remove dead copper, pour order 26): -157.48,2908.82 -157.48,-91.09 4466.02,-91.09 4466.02,2909.91 4371.02,2909.91
+5v on Top Layer "GND_L02_P-001" (solid, remove dead copper, pour order 24): 3845.02,475.91 3817.02,503.91 3817.02,1043.91 3720.02,1140.91 3643.02,1140.91 3609.02,1174.91 3609.02,1404.91 3632.02,1427.91 3669.02,1427.91 3757.02,1515.91 3757.02,1579.91 3673.02,1579.91 3537.02,1443.91 3537.02,1143.91 3622.02,1058.91 3689.02,1058.91 3728.35,1019.58 3728.35,494.58 3807.02,415.91 3845.02,415.91
+3v3 on Top Layer "+3V3_L01_P021" (solid, pour order 21): 3700.79,1692.91 3818.9,1692.91 3858.27,1732.28 3858.27,1771.65 4015.75,1771.65 4015.75,1574.8 3976.38,1535.43 3818.9,1535.43 3818.9,1574.8 3779.53,1614.17 3700.79,1614.17
+3v3 on Top Layer "+3V3_L01_P023" (solid, remove dead copper, pour order 23): 3468.02,1690.91 3737.02,1690.91 3758.02,1669.91 3758.02,1630.91 3743.02,1615.91 3481.02,1615.91 3468.02,1628.91
+ADJ on Top Layer "+ADJ_L01_P022" (solid, remove dead copper, pour order 22): 3609.02,1174.91 3643.02,1140.91 3859.09,1140.91 3900,1100 4094.74,1100 4243.1,1248.36 4243.1,1301.45 4205.57,1338.98 4038.02,1338.98 4027,1350 4027,1403 3752,1403 3751,1402 3751,1373 3782,1373 3847.5,1307.5 3740,1200 3634.12,1200

## Silkscreen, mask and mechanical layers (free items; w line width, h text height)
Top Overlay:
  drawing of 20 lines, arcs and shapes, not listed
  text "RST" at 3888.02,2752.91 h40
  text "GND" at 2007.87,2555.12 h66.93
  text "NewAE Technology Inc. / https://www.newae.com" at 224.41,2216.54 h100
  text "GND" at 4114.17,2208.66 h66.93
  text "30mm" at 984.25,1850.39 h60
  text "ERASE" at 4226.02,1553.91 h40 r90
  text "20mm" at 157.48,1299.21 h60 r90
  text "SRAM Power" at 1496.06,1220.47 h70.87 r90
  text "VCC SRAM" at 4059.06,1169.29 h66.93
  text "ChipSHOUTER™" at 211,438 h120
  text "Ballistic Gel" at 156,297 h260
  text "NAE-CW521-04" at 219,211 h120
  text "DEBUG UART" at 2992.13,157.48 h40
  text "cwdocs.com/cw521" at 219,97 h120
  text "USB RX" at 2724.41,55.12 h70.87 r90
  text "USB TX" at 2803.15,55.12 h70.87 r90
  text "HEARTBEAT" at 2881.89,55.12 h70.87 r90
Bottom Overlay:
  lines w20: 196.85,1141.73 196.85,1614.17 ; 354.33,984.25 1220.47,984.25 ; 354.33,1771.65 1220.47,1771.65 ; 1377.95,1141.73 1377.95,1614.17
  text "ChipSHOUTER™" at 1362.2,275.59 h120
  text "C" at 3464.57,275.59 h250
  text "W" at 2963.92,235.98 h250
  text "p" at 3203.92,215.98 h250
  text "Ballistic Gel" at 1433.07,118.11 h260
  text "NewAE Technology Inc.  / PCB P/N: NAE-CW521-04 / RoHS / Pb-Free" at 2755.91,118.11 h60
Mechanical 1:
  lines w11.81: -157.48,-107.48 ccw(c-107.48,-107.48) -107.48,-157.48 4438.19,-157.48 ccw(c4438.19,-107.48) 4488.19,-107.48 4488.19,-78.74 4488.19,2863.39 ccw(c4438.19,2863.39) 4438.19,2913.39 4409.45,2913.39 -107.48,2913.39 ccw(c-107.48,2863.39) -157.48,2863.39 -157.48,-78.74 -157.48,-107.48 ; 451.43,1077.58 ccw(c497.51,1077.58) 497.51,1031.51 1068.51,1031.51 ccw(c1068.51,1077.58) 1114.59,1077.58 1114.59,1676.58 ccw(c1068.51,1676.58) 1068.51,1722.66 497.51,1722.66 ccw(c497.51,1676.58) 451.43,1676.58 451.43,1077.58